# Altium PCB 3rd_eyes.PcbDoc
Units mil, origin at the board's own origin, x right, y up, seen from the top; angles counter-clockwise.
Board outline 3539.47 x 2637.8 mil, 2 copper layers (Top Layer, Bottom Layer); 55 components, 44 nets, 250 pads, 167 vias.
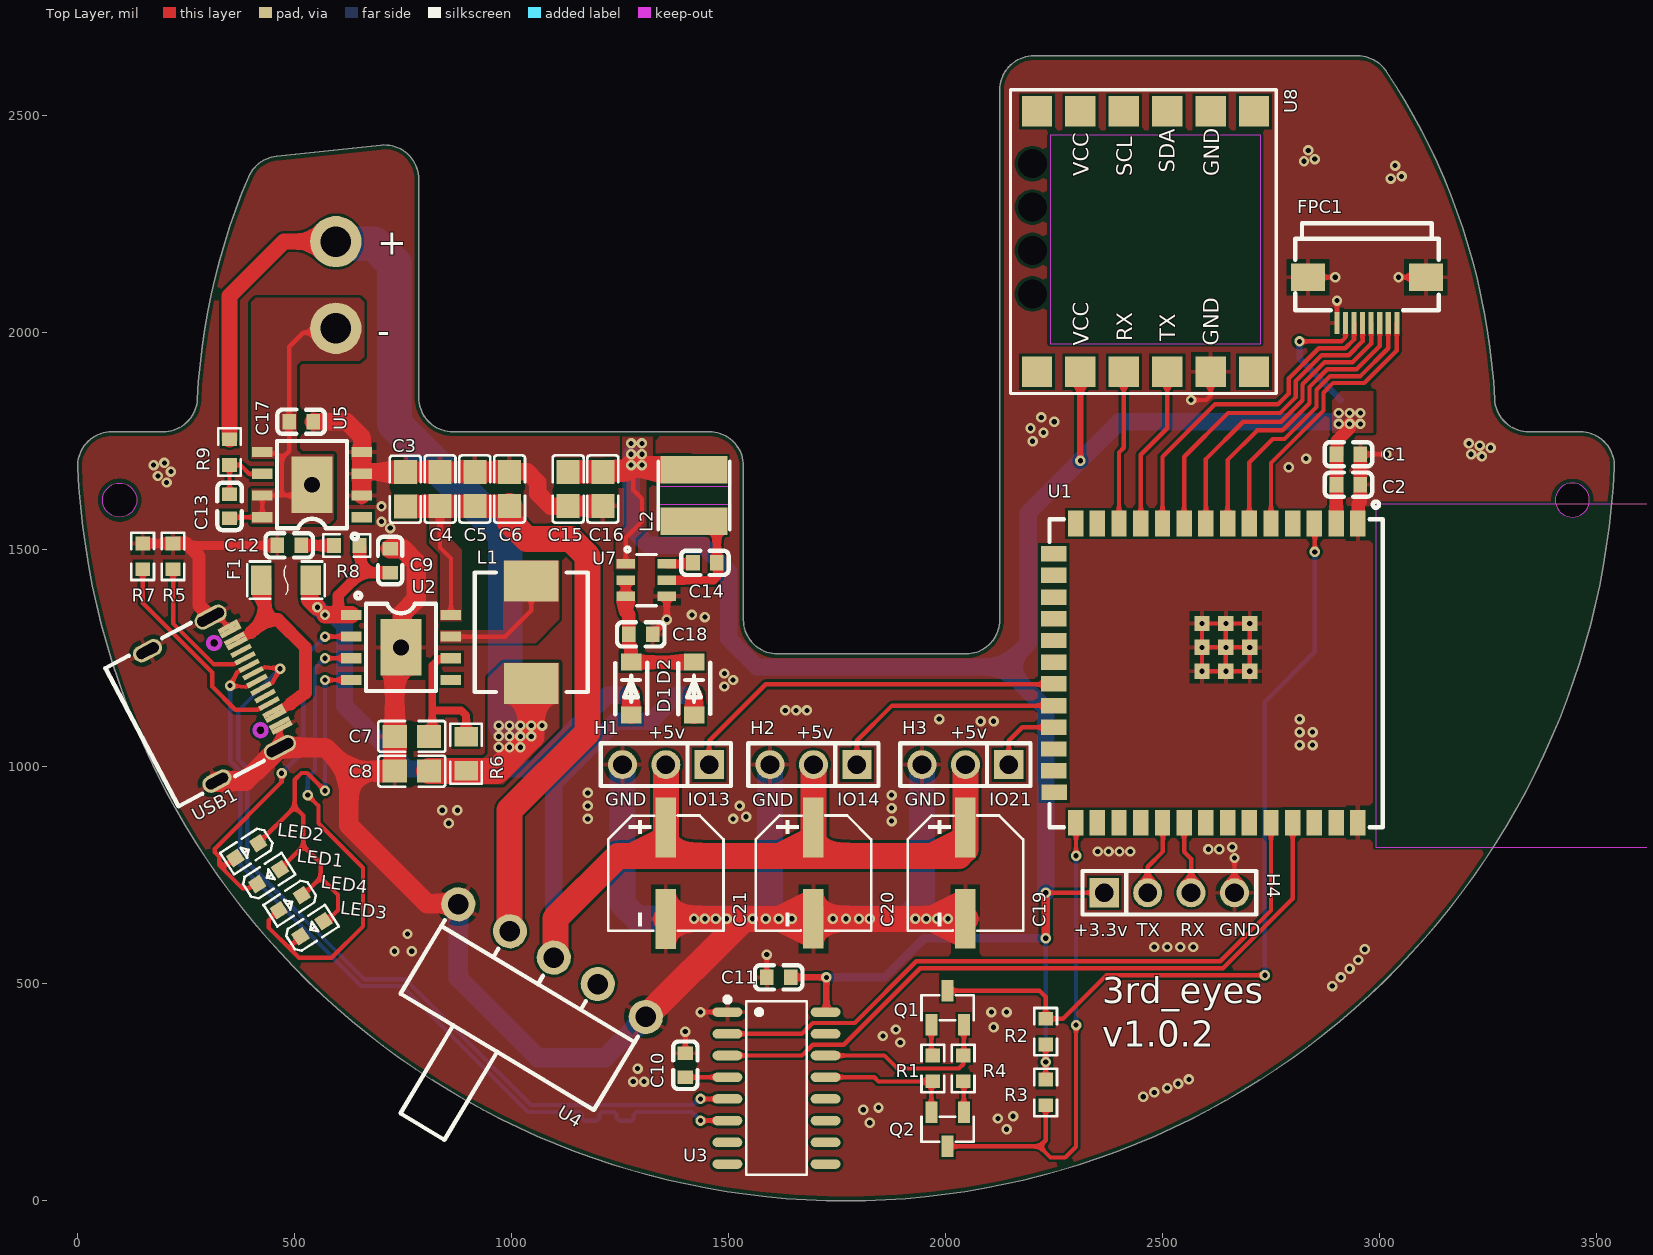
[diagram p0: Top Layer view]
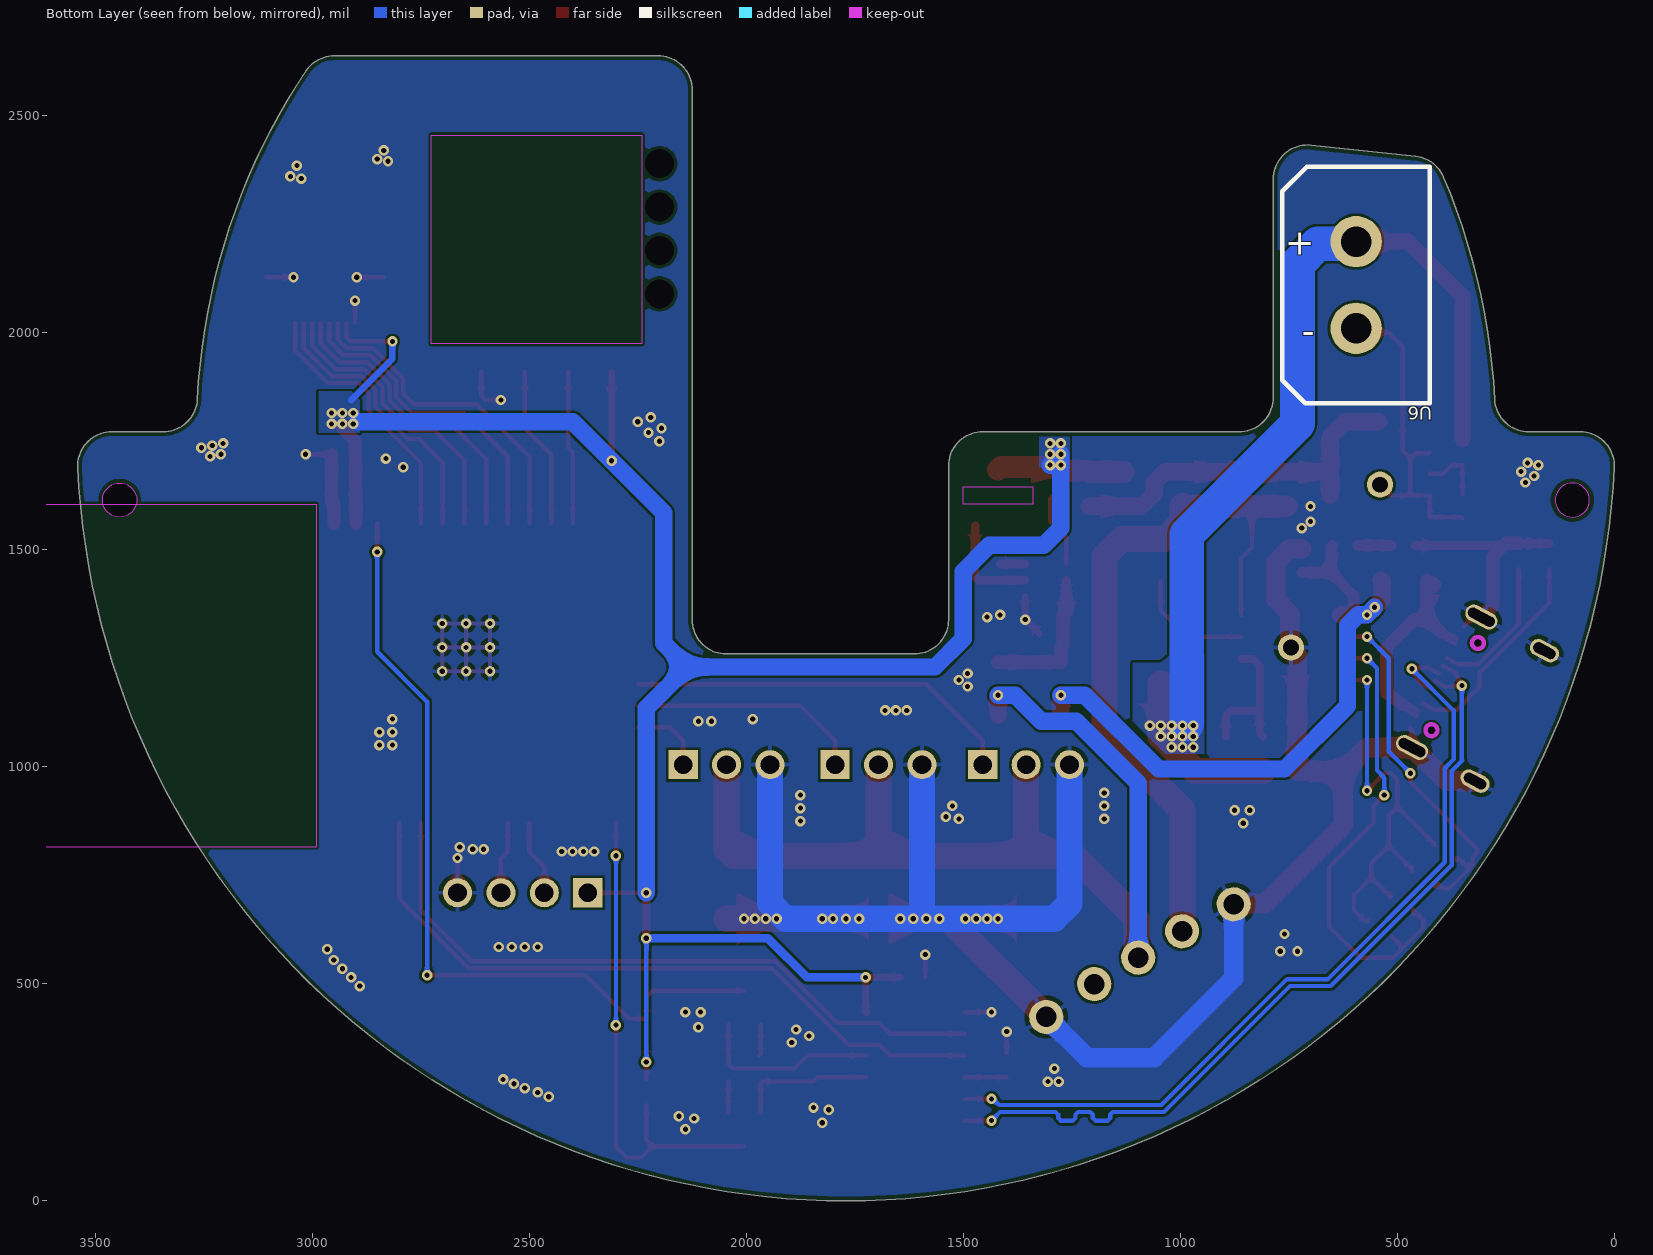
[diagram p1: Bottom Layer view, seen from below]
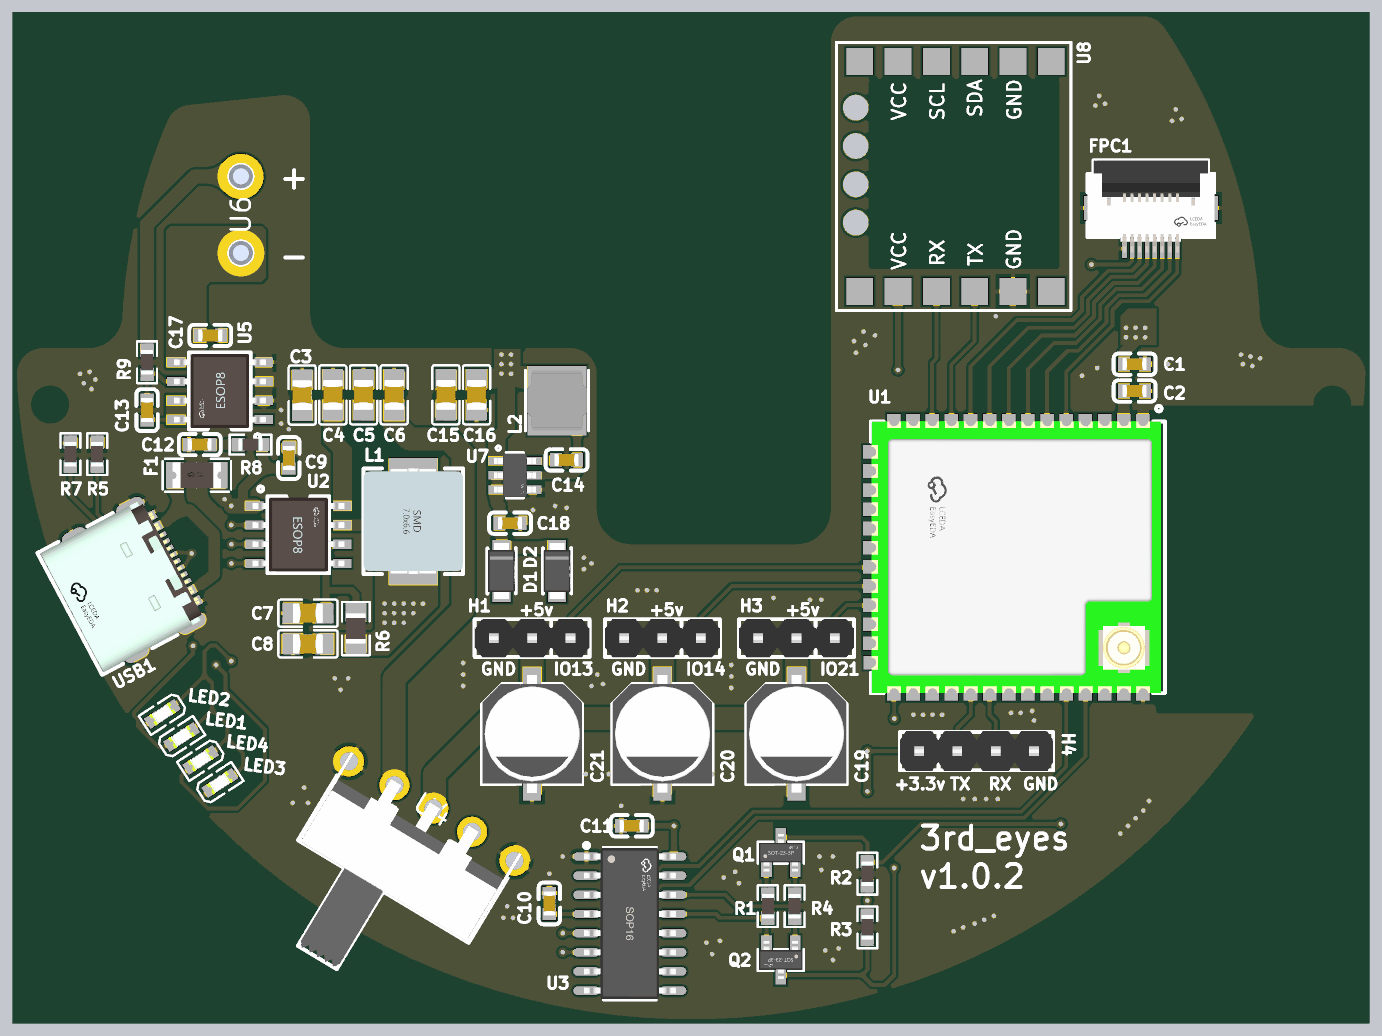
[diagram p2: 3D render of the assembled board from above, using the file's embedded part models]

## Layer stack, top to bottom
Top Solder: solder mask 0.4, Solder Resist, Dk 3.5
Top Layer: signal copper 1.4
Dielectric 1: dielectric 12.6, FR-4, Dk 4.8
Bottom Layer: signal copper 1.4
Bottom Solder: solder mask 0.4, Solder Resist, Dk 3.5

## Board outline
0.34,1689.5 cw(c78.99,1693.16) 78.99,1771.9 197.24,1771.9 ccw(c197.24,1850.64) 275.88,1846.71 cw(c1770.07,1771.9) 394.1,2359.2 cw(c466.52,2328.29) 458.25,2406.6 698.81,2432 cw(c707.08,2353.7) 785.82,2353.7 785.82,1850.64 ccw(c864.56,1850.64) 864.56,1771.9 1455.11,1771.9 cw(c1455.11,1693.16) 1533.85,1693.16 1533.85,1338.83 ccw(c1612.59,1338.83) 1612.59,1260.09 2045.66,1260.09 ccw(c2045.66,1338.83) 2124.4,1338.83 2124.4,2559.31 cw(c2203.14,2559.31) 2203.14,2638.05 2948.55,2638.05 cw(c2948.55,2559.31) 3014.02,2603.05 cw(c1770.07,1771.9) 3264.26,1846.71 ccw(c3342.9,1850.64) 3342.9,1771.9 3461.15,1771.9 cw(c3461.15,1693.16) 3539.81,1689.5 cw(c1770.07,1771.9)
cut-out: 3403.93,1614.42 ccw(c3443.3,1614.42) 3443.3,1575.05 ccw(c3443.3,1614.42) 3482.67,1614.42 ccw(c3443.3,1614.42) 3443.3,1653.79 ccw(c3443.3,1614.42)
cut-out: 96.84,1575.05 cw(c96.84,1614.42) 57.47,1614.42 cw(c96.84,1614.42) 96.84,1653.79 cw(c96.84,1614.42) 136.21,1614.42 cw(c96.84,1614.42)

## Design rules (kind name [scope] priority, off if disabled: settings)
BoardOutlineClearance ExternalComponent_BoardOutlineClearance_1 [(InComponent('USB1') OR InComponent('U4') OR InComponent('U6'))] p1: gap=10 ignorepadtopadclearanceinfootprint=FALSE except(0: Arc-OutlineEdge Arc-SplitContinuation Track-OutlineEdge Track-SplitContinuation SMDPad-SplitContinuation THPad-SplitContinuation Via-SplitContinuation Fill-SplitContinuation Poly-SplitContinuation Region-SplitContinuation Text-SplitContinuation)
BoardOutlineClearance [All] p2: gap=10 ignorepadtopadclearanceinfootprint=FALSE except(0: Arc-SplitContinuation Track-SplitContinuation SMDPad-SplitContinuation THPad-SplitContinuation Via-SplitContinuation Fill-SplitContinuation Poly-SplitContinuation Region-SplitContinuation Text-SplitContinuation)
Clearance [All] p1: gap=6 ignorepadtopadclearanceinfootprint=TRUE except(6.9: Arc-Hole Track-Hole SMDPad-Hole THPad-Hole Via-Hole Fill-Hole Poly-Hole Region-Hole Text-Hole)
DiffPairsRouting [All] p1: maxlimit=110 minlimit=6 mostfreqgap=6 toplayer_minwidth=10 toplayer_maxwidth=10 toplayer_prefwidth=10 bottomlayer_minwidth=10 bottomlayer_maxwidth=10 bottomlayer_prefwidth=10 maxuncoupledlength=10
MatchedLengths DiffPair_USBMatchedLengths [InDifferentialPairClass('USB')] p1: tolerance=10 checknetsindiffpair=FALSE checkdiffpairvsdiffpair=TRUE checkxsignals=TRUE checkothers=TRUE
MatchedLengths [InDifferentialPair ('USB')] p2: tolerance=1000 checknetsindiffpair=FALSE checkdiffpairvsdiffpair=TRUE checkxsignals=TRUE checkothers=TRUE
MinimumSolderMaskSliver Densepads_MinimumSolderMaskSliver [(HasFootprint('USB-C-SMD_KH-TYPE-C-16P') OR HasFootprint('FPC-SMD_P0.50-8P_FGS-XJ-H2.0'))] p1: minsoldermaskwidth=3
MinimumSolderMaskSliver [All] p2: minsoldermaskwidth=10
PolygonConnect PolygonConnect_GND [InNet('GND')] p1: thpad.connectstyle=Relief thpad.reliefconductorwidth=10 thpad.reliefentries=4 thpad.polygonreliefangle="90 Angle" thpad.airgapwidth=10 smdpad.connectstyle=Relief smdpad.reliefconductorwidth=10 smdpad.reliefentries=4 smdpad.polygonreliefangle="90 Angle" smdpad.airgapwidth=10 via.connectstyle=Direct via.reliefconductorwidth=10 via.reliefentries=4 via.polygonreliefangle="90 Angle" via.airgapwidth=10
PolygonConnect power_plane [(InNet('NetC13_2') OR InNet('NetL1_1') OR InNet('PW_5V') OR InNet('PW_D3.3V') OR InNet('PW_BAT4.2V'))] p2: connectstyle=Direct reliefconductorwidth=10 reliefentries=4 polygonreliefangle="90 Angle" airgapwidth=10
PolygonConnect [All] p3: connectstyle=Relief reliefconductorwidth=10 reliefentries=4 polygonreliefangle="90 Angle" airgapwidth=10
RoutingVias [All] p1: holewidth=12 width=24 viastyle="Through Hole" minholewidth=5 minwidth=10 maxholewidth=100 maxwidth=100
SilkToSilkClearance [All] p1: silktosilkclearance=0
SilkToSolderMaskClearance [IsPad] p1: minsilkscreentomaskgap=0 clearancetoexposedcopper=FALSE
SolderMaskExpansion "Via SolderMask" [IsVia] p1: expansion=4 istentingtop=TRUE
SolderMaskExpansion [All] p2: expansion=2 istentingtop=FALSE
SupplyNets "Schematic Supply Nets_3" [InNet('PW_D5V')] p1: voltage=0.000
SupplyNets "Schematic Supply Nets_2" [InNet('PW_D3.3V')] p2: voltage=0.000
SupplyNets "Schematic Supply Nets_5" [InNet('PW_5V')] p3: voltage=0.000
SupplyNets "Schematic Supply Nets_4" [InNet('PW_BAT4.2V')] p4: voltage=0.000
SupplyNets "Schematic Supply Nets_1" [InNet('PW_USB5V')] p5: voltage=0.000
SupplyNets "Schematic Supply Nets" [InNet('GND')] p6: voltage=0.000
Width GND_Width [InNet('GND')] p1: maxlimit=100 minlimit=10 preferedwidth=40 minimp=50.000000 maximp=50.000000 favimp=50.000000
Width power_width [(InNet('PW_BAT4.2V') OR InNet('PW_5V') OR InNet('PW_USB5V') OR InNet('PW_D5V') OR InNet('NetF1_1') OR InNet('PW_D3.3V'))] p2: maxlimit=150 minlimit=10 preferedwidth=40
Width [All] p3: maxlimit=100 minlimit=10 preferedwidth=10 minimp=50.000000 maximp=50.000000 favimp=50.000000
26 further rules are at their usual default settings.

## Classes and differential pairs
differential pair D: +D_P -D_N

## Components (designator, comment, footprint, x,y, rotation, side; value= is the part's Value field where it differs from the comment)
C1 "100nF" C0603 2927.44,1720 r180 top
C2 "1uF" C0603 2927.44,1650 r180 top
C3 "22uF" C0805 755,1639.37 r270 top locked
C4 "22uF" C0805 835,1640 r270 top locked
C5 "22uF" C0805 915,1640 r270 top locked
C6 "22uF" C0805 995,1640 r270 top locked
C7 "22uF" C0805 770,1070 r0 top
C8 "22uF" C0805 770,990 r0 top
C9 "10uF" C0603 720,1475 r270 top
C10 "100nF" C0603 1400,312.56 r270 top locked
C11 "100nF" C0603 1615,515 r0 top
C12 "10uF" C0603 487.44,1510 r0 top
C13 "4.7uF" C0603 350,1600 r270 top locked
C14 "100nF" C0603 1445,1470 r0 top locked
C15 "22uF" C0805 1130,1640 r270 top locked
C16 "22uF" C0805 1210,1640 r270 top locked
C17 "2.2uF" C0603 515,1795 r0 top locked
C18 "10uF" C0603 1297.44,1305 r180 top locked
C19 "220uF" CAP-SMD_BD6.3-L6.6-W6.6-FD-A 2045,755 r270 top locked
C20 "220uF" CAP-SMD_BD6.3-L6.6-W6.6-FD-A 1695,755 r270 top locked
C21 "220uF" CAP-SMD_BD6.3-L6.6-W6.6-FD-A 1355,754.88 r270 top locked
D1 "SS14L" SOD-123F_L2.8-W1.8-LS3.7-RD 1420,1180 r270 top locked
D2 "SS14L" SOD-123F_L2.8-W1.8-LS3.7-RD 1275,1180 r270 top locked
F1 "12H1300C" F1206 480,1430 r0 top
FPC1 "AFC01-S08FCA-00" FPC-SMD_P0.50-8P_FGS-XJ-H2.0 2970,2075 r0 top
H1 "PZ254V-11-03P" HDR-TH_3P-P2.54-V-M 1355,1005 r180 top locked
H2 "PZ254V-11-03P" HDR-TH_3P-P2.54-V-M 1695,1005 r180 top locked
H3 "PZ254V-11-03P" HDR-TH_3P-P2.54-V-M 2045,1005 r180 top locked
H4 "PZ254V-11-04P" HDR-TH_4P-P2.54-V-M 2515,710 r0 top locked
L1 "1uH" IND-SMD_L7.0-W6.6 1045,1310 r270 top
L2 "3.9uH" IND-SMD_L4.0-W4.0_FNR40XXS 1420,1625 r90 top
LED1 "NCD0603Y1" LED0603-RD 440,747 r33 top locked
LED2 "NCD0603Y1" LED0603-RD 390,807 r213 top locked
LED3 "NCD0603Y1" LED0603-RD 540,627 r33 top locked
LED4 "NCD0603Y1" LED0603-RD 490,687 r213 top locked
Q1 "SS8050" SOT-23-3_L2.9-W1.3-P1.90-LS2.4-BR 2004.08,445 r270 top locked
Q2 "SS8050" SOT-23-3_L2.9-W1.3-P1.90-LS2.4-BR 2004.08,165 r90 top locked
R1 "10kΩ" R0603 1970,305.34 r270 top locked
R2 "10kΩ" R0603 2230,390 r270 top locked
R3 "10kΩ" R0603 2230,250 r90 top locked
R4 "10kΩ" R0603 2040,305.34 r90 top locked
R5 "5.1kΩ" R0603 220,1485 r90 top
R6 "500mΩ" R0805 895,1030 r270 top
R7 "5.1kΩ" R0603 150,1485 r90 top
R8 "2Ω" R0603 620,1510 r180 top
R9 "100Ω" R0603 350,1725 r270 top locked
U1 "ESP32-S3-WROOM-1U-N16R8" WIRELM-SMD_ESP32-S3-WROOM-1U 2598.86,1216.06 r270 top locked
U2 "IP5306" ESOP-8_L4.9-W3.9-P1.27-LS6.0-BL-EP 745,1275 r270 top locked
U3 "CH340C" SOP-16_L10.0-W3.9-P1.27-LS6.0-BL 1610,260 r270 top locked
U4 "KH-SS12F23-G6" SW-TH_KH-SS12F23-G6 1095,557 r329 top locked
U5 "IP3005A" ESOP-8_L4.9-W3.9-P1.27-LS6.0-BL-EP 540,1650 r90 top locked
U6 "HC-C5080-2AS" CONN-TH_HC-C5080-2AS 595,2110 r270 bottom locked
U7 "AP63203WU-7" TSOT-26_L2.9-W1.6-P0.95-LS2.8-BL 1310,1430 r270 top locked
U8 "JY61P" JY61P 2447.74,2200.04 r90 top
USB1 "KH-TYPE-C-16P" USB-C-SMD_KH-TYPE-C-16P 325,1162 r298 top locked

## Footprints (in the part's own frame and the unit in brackets; to place one, negate y for a bottom-side part, rotate by r counter-clockwise, add the part's x,y. Pads: shape width x height; smd on the part's side, far side on the other; paste and mask are expansions set on the pad)
C0603 [mm]
  rect 0.8x0.9 smd: 1(-0.7,0) 2(0.7,0)
  silkscreen extent -1.39,-0.71 1.39,0.71, body extent -0.8,-0.4 0.8,0.4, height 0.8
C0805 [mm]
  rect 1.41x1.35 smd paste-100 mask+0.051: 1(-1,0) 2(1,0)
  silkscreen extent -1.96,-0.9 1.96,0.9, body extent -1,-0.65 1,0.65, height 1.3
CAP-SMD_BD6.3-L6.6-W6.6-FD-A [mm]
  rect 3.5x1.2 smd: 1(-2.67,0) 2(2.67,0)
  silkscreen extent -3.38,-3.38 3.38,3.38, body extent -3.9,-3.3 3.9,3.3, height 5.82
CONN-TH_HC-C5080-2AS [mm]
  round 3 hole 1.78: 1(-2.54,0) 2(2.54,0)
  silkscreen extent -6.92,-4.32 6.92,4.32, body extent -6.93,-4.25 6.93,4.25, height 10.5
ESOP-8_L4.9-W3.9-P1.27-LS6.0-BL-EP [mm]
  rect 0.6x1.2 smd: 1(-1.905,-2.908) 2(-0.635,-2.908) 3(0.635,-2.908) 4(1.905,-2.908) 5(1.905,2.908) 6(0.635,2.908) 7(-0.635,2.908) 8(-1.905,2.908)
  rect 3.3x2.4 smd: 9(0,0)
  silkscreen extent -3.2,-2.67 2.55,2.05, body extent -2.45,-3.05 2.45,3.05, height 1.7
F1206 [mm]
  rect 1.19x1.728 smd: 1(-1.445,0) 2(1.445,0)
  silkscreen extent -2.27,-1.09 2.27,1.09, body extent -1.6,-0.85 1.6,0.85, height 0.6
FPC-SMD_P0.50-8P_FGS-XJ-H2.0 [mm]
  rect 0.3x1.3 smd paste+0 mask+0.05: 1(-1.75,-1.34) 2(-1.252,-1.338) 3(-0.75,-1.34) 4(-0.25,-1.34) 5(0.25,-1.34) 6(0.75,-1.34) 7(1.25,-1.34) 8(1.75,-1.34)
  rect 2x1.6 smd: 9(3.45,1.34) 10(-3.45,1.34)
  silkscreen extent -4.2,-0.6 4.2,4.5, body extent -4.25,-1.6 4.25,4.5, height 2.01
HDR-TH_3P-P2.54-V-M [mm]
  rect 1.7x1.7 hole 1.1: 1(-2.54,0)
  round 1.7 hole 1.1: 2(0,0) 3(2.54,0)
  silkscreen extent -3.81,-1.25 3.81,1.25, body extent -3.81,-1.27 3.82,1.27, height 8.54
HDR-TH_4P-P2.54-V-M [mm]
  rect 1.7x1.7 hole 1.1: 1(-3.81,0)
  round 1.7 hole 1.1: 2(-1.27,0) 3(1.27,0) 4(3.81,0)
  silkscreen extent -5.08,-1.27 5.08,1.27, body extent -5.08,-1.33 5.09,1.33, height 8.54
IND-SMD_L4.0-W4.0_FNR40XXS [mm]
  rect 1.6x3.9 smd: 1(-1.5,0) 2(1.5,0)
  silkscreen extent -2,-2.1 2,2.1, body extent -2,-2 2,2, height 2.61
IND-SMD_L7.0-W6.6 [mm]
  rect 2.4x3.2 smd: 1(-3,0) 2(3,0)
  silkscreen extent -3.5,-3.3 3.5,3.3, body extent -3.5,-3.3 3.5,3.3, height 3.1
JY61P [mil]
  oval 39.37x47.24 hole 66.93: 0(-110.67,248.11) 0(-10.67,248.11) 0(89.33,248.11)
  rect 39.37x47.24 hole 66.93: 0(189.33,248.11)
  rect 70x70 smd: 1(-290.04,237.74) 2(-290.04,137.74) 3(-290.04,37.74) 4(-290.04,-62.26) 5(-290.04,-162.26) 6(-290.04,-262.26) 7(309.96,-262.26) 8(309.96,-162.26) 9(309.96,-62.26) 10(309.96,37.74) 11(309.96,137.74) 12(309.96,237.74)
  silkscreen extent -340,-313 360,299
LED0603-RD [mm]
  rect 0.8x0.8 smd: 1(-0.799,0) 2(0.799,0)
  silkscreen extent -1.49,-0.75 1.39,0.76, body extent -0.81,-0.41 0.81,0.41, height 0.56
R0603 [mil]
  rect 31.75x34.02 smd paste-3937.01 mask+2: 1(-29.66,0) 2(29.66,0)
  silkscreen extent -55,-26 55,26, body extent -32,-16 32,16, height 18
R0805 [mm]
  rect 1.133x1.377 smd paste-100 mask+0.051: 1(-1,0) 2(1,0)
  silkscreen extent -1.76,-0.92 1.76,0.92, body extent -1,-0.65 1,0.65, height 0.61
SOD-123F_L2.8-W1.8-LS3.7-RD [mm]
  rect 1x1.2 smd: 1(-1.55,0) 2(1.55,0)
  silkscreen extent -1.52,-0.93 1.49,0.95, body extent -1.85,-0.89 1.85,0.91, height 1.31
SOP-16_L10.0-W3.9-P1.27-LS6.0-BL [mm]
  oval 0.56x1.745 smd: 1(-4.445,-2.872) 2(-3.175,-2.872) 3(-1.905,-2.872) 4(-0.635,-2.872) 5(0.635,-2.872) 6(1.905,-2.872) 7(3.175,-2.872) 8(4.445,-2.872) 9(4.445,2.872) 10(3.175,2.872) 11(1.905,2.872) 12(0.635,2.872) 13(-0.635,2.872) 14(-1.905,2.872) 15(-3.175,2.872) 16(-4.445,2.872)
  silkscreen extent -5.33,-3.02 5.08,1.77, body extent -5,-3.05 5,3.05, height 1.7
SOT-23-3_L2.9-W1.3-P1.90-LS2.4-BR [mm]
  rect 1.25x0.7 smd: 1(1,-0.95) 2(1,0.95) 3(-1,0)
  silkscreen extent -0.73,-1.53 0.73,1.53, body extent -1.25,-1.45 1.25,1.45, height 1.05
SW-TH_KH-SS12F23-G6 [mm]
  round 2 hole 1.2: 1(-3,0.1) 2(0,0.1) 3(3,0.1) 4(6.4,-0.1) 5(-6.4,-0.1)
  silkscreen extent -6.6,-12.33 6.6,-1.13, body extent -6.61,-12.33 6.61,0.52, height 5.8
TSOT-26_L2.9-W1.6-P0.95-LS2.8-BL [mm]
  rect 0.55x1.1 smd paste+0 mask+0.05: 1(-0.95,-1.2) 2(0,-1.2) 3(0.95,-1.2) 4(0.95,1.2) 5(0,1.2) 6(-0.95,1.2)
  silkscreen extent -1.94,-1.24 1.5,0.57, body extent -1.45,-1.4 1.45,1.4, height 0.89
USB-C-SMD_KH-TYPE-C-16P [mm]
  oval 1x2 hole 0.6 slot 1.7 at 90 deg: 1(-4.32,1.765) 2(4.32,1.765)
  oval 1x1.8 hole 0.6 slot 1.4 at 90 deg: 3(-4.32,-2.415) 4(4.32,-2.415)
  rect 0.3x1.3 smd paste-100 mask+0.05: A1(-3.35,2.415) A4(-2.55,2.415) A5(-1.25,2.415) A6(-0.25,2.415) A7(0.25,2.415) A8(1.25,2.415) A9(2.55,2.415) A12(3.35,2.415) B1(3.05,2.415) B4(2.25,2.415) B5(1.75,2.415) B6(0.75,2.415) B7(-0.75,2.415) B8(-1.75,2.415) B9(-2.25,2.415) B12(-3.05,2.415)
  Keep-Out Layer board cut-out: 3.24,1.235 3.193,1.41 3.065,1.538 2.89,1.585 2.715,1.538 2.587,1.41 2.54,1.235 2.54,1.235 2.575,1.083 2.672,0.961 2.812,0.894 2.968,0.894 3.108,0.961 3.205,1.083 3.24,1.235
  Keep-Out Layer board cut-out: -2.54,1.235 -2.587,1.41 -2.715,1.538 -2.89,1.585 -3.065,1.538 -3.193,1.41 -3.24,1.235 -3.24,1.235 -3.205,1.083 -3.108,0.961 -2.968,0.894 -2.812,0.894 -2.672,0.961 -2.575,1.083 -2.54,1.235